# Altium PCB Robo.PcbDoc (continued)
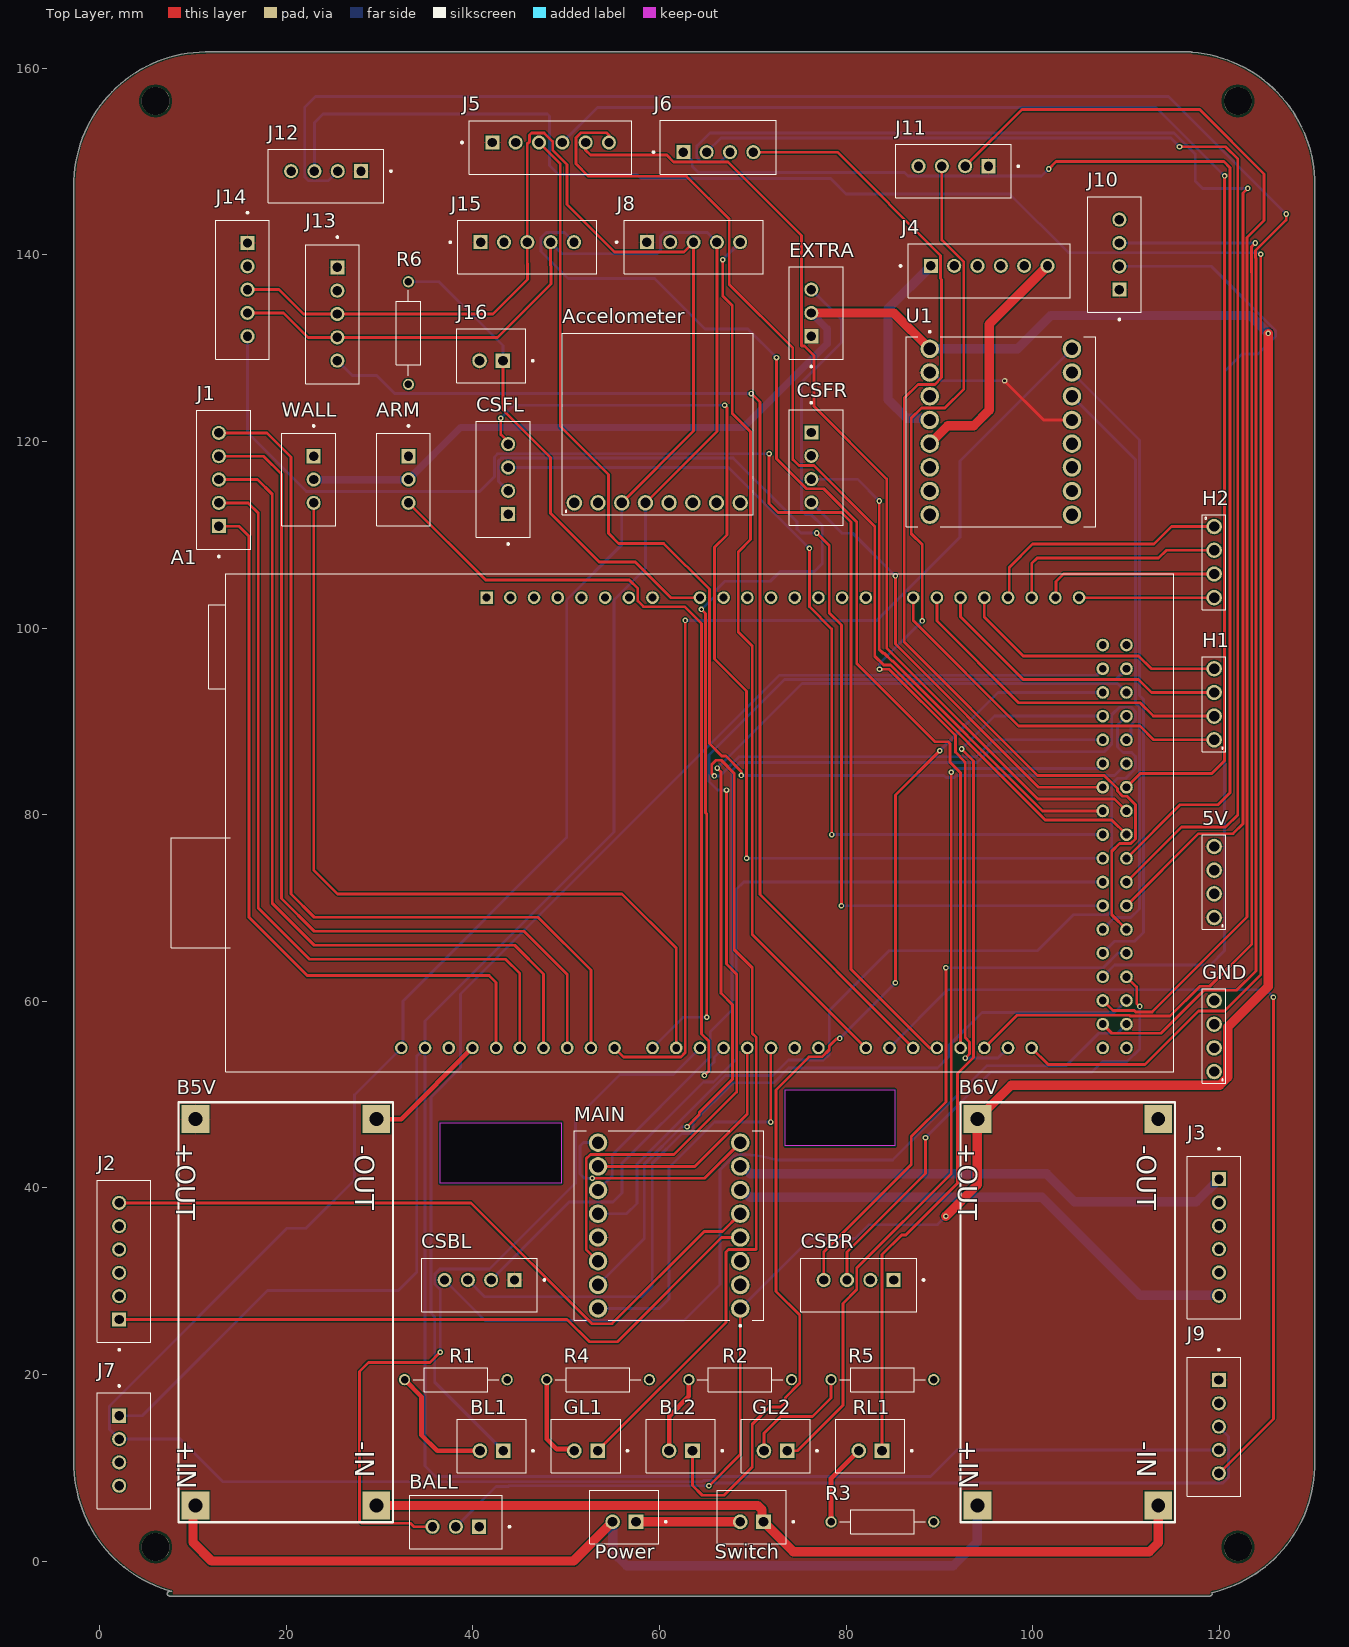
[diagram p0: Top Layer view]
## Part data
5V GND H1 H2: "Board Connector, 4 Contact(s), 1 Row(s), Male, Straight, 0.1 inch Pitch, Solder Terminal, Locking, Black Insulator, Plug", Contact Resistance=20mR, Dielectric Withstanding Voltage (AC)=500V, Insulation Color=Black, Insulation Resistance=1GR, Manufacturer="Wurth Electronics", Max Operating Temperature=125°C, Min Operating Temperature=-40°C, Rated Current (Signal)=3A, Supplier Part Number=732-5317-ND, Body Breadth=0.1inch, Body Depth=0.1inch, Body Length=0.4inch, Body/Shell Style=PLUG, Category="Headers and Wire Housings", ComponentLink1Description=https://datasheet.ciiva.com:443/pdfs/VipMasterIC/IC/MIDC/MIDCS07676/MIDCS07676-1.pdf?src-supplier=IHS+Markit, ComponentLink1URL=https://datasheet.ciiva.com:443/pdfs/VipMasterIC/IC/MIDC/MIDCS07676/MIDCS07676-1.pdf?src-supplier=IHS+Markit, ComponentLink2Description=http://www.farnell.com/cad/1737268.pdf?src-supplier=Element14, ComponentLink2URL=http://www.farnell.com/cad/1737268.pdf?src-supplier=Element14, ComponentLink3Description=https://katalog.we-online.de/em/datasheet/6130xx11121.pdf?src-supplier=Digi-Key, ComponentLink3URL=https://katalog.we-online.de/em/datasheet/6130xx11121.pdf?src-supplier=Digi-Key, Connector Type="BOARD CONNECTOR", Contact Finish - Mating=GOLD, Contact Finish - Termination="Gold (Au) - with Nickel (Ni) barrier", Contact Gender=Male, Contact Material="Copper Alloy", Contact Pattern=RECTANGULAR, Contact Style="SQ PIN-SKT", Insulation Material=Polybutylene, JESD-609 Code=e4, Manufacturer Part Number=61300411121, Mating Contact Pitch=0.1inch, Mounting Option 1=LOCKING, Mounting Style=STRAIGHT, Mounting Technology=Board, Number Of Connectors=1, Number of Contacts=4, Number of Rows Loaded=1, PCB Contact Pattern=RECTANGULAR, Pricing="1=0.19, 10=0.163, 25=0.1352, 50=0.113, 100=0.102, 1000=0.094 (USD)", Reach SVHC Compliant=Yes, Reference Standard=UL, Reliability=COMMERCIAL, RoHS=Yes, RoHS Compliant=Yes, Stock=103058, Supplier=Digi-Key, Terminal Length=0.118inch, Terminal Pitch=2.54mm, Termination=Solder
A1: "Arduino Mega 2560 Rev3. ATmega2560 Microcontroller Mega Development Board 16MHz CPU 8KB RAM 4KB/256KB EEPROM/Flash", Package="Non-Standard Arduino", Availability="In Stock", Check_prices=https://www.snapeda.com/parts/A000067/Arduino/view-part/?ref=eda, MF=Arduino, MP=A000067, Price=None, Purchase-URL=https://pricing.snapeda.com/search?q=A000067&ref=eda, SnapEDA_Link=https://www.snapeda.com/parts/A000067/Arduino/view-part/?ref=snap
Accelometer: library part 8pin_headers
ARM BALL EXTRA WALL: library part B3B-XH-A_(LF)(SN), "Connector Header Through Hole 3 position 0.098 (2.50mm)", Package=None, Check_prices=https://www.snapeda.com/parts/B3B-XH-A%20(LF)(SN)/JST+Sales+America+Inc./view-part/?ref=eda, MF="JST Sales America Inc.", MP="B3B-XH-A (LF)(SN)", SnapEDA_Link=https://www.snapeda.com/parts/B3B-XH-A%20(LF)(SN)/JST+Sales+America+Inc./view-part/?ref=snap
B5V B6V: library part Buck_Converter
BL1 BL2 GL1 GL2 J16 Power RL1 Switch: "Connector Header Through Hole 2 position 0.098 (2.50mm)", Package=None, Check_prices=https://www.snapeda.com/parts/B2B-XH-A(LF)(SN)/JST+Sales+America+Inc./view-part/?ref=eda, MF="JST Sales America Inc.", MP=B2B-XH-A(LF)(SN), SnapEDA_Link=https://www.snapeda.com/parts/B2B-XH-A(LF)(SN)/JST+Sales+America+Inc./view-part/?ref=snap
CSBL CSBR CSFL CSFR J7 J10 J11 J12: library part B4B-XH-A(LF)(SN), "Connector Header Through Hole 4 position 0.098 (2.50mm)", Package=None, Availability="In Stock", Check_prices=https://www.snapeda.com/parts/B4B-XH-A(LF)(SN)/JST+Sales+America+Inc./view-part/?ref=eda, MF="JST Sales", MP=B4B-XH-A(LF)(SN), Price=None, Purchase-URL=https://pricing.snapeda.com/search/part/B4B-XH-A(LF)(SN)/?ref=eda, SnapEDA_Link=https://www.snapeda.com/parts/B4B-XH-A(LF)(SN)/JST+Sales+America+Inc./view-part/?ref=snap
J1 J8 J9 J13 J14 J15: library part B5B-XH-A(LF)(SN), "Connector Header Through Hole 5 position 0.098 (2.50mm)", Package=None, Check_prices=https://www.snapeda.com/parts/B5B-XH-A(LF)(SN)/JST+Sales+America+Inc./view-part/?ref=eda, MF="JST Sales America Inc.", MP=B5B-XH-A(LF)(SN), SnapEDA_Link=https://www.snapeda.com/parts/B5B-XH-A(LF)(SN)/JST+Sales+America+Inc./view-part/?ref=snap
J2 J3 J4 J5: "Connector Header Through Hole 6 position 0.098 (2.50mm)", Package=None, Check_prices=https://www.snapeda.com/parts/B6B-XH-A(LF)(SN)/JST+Sales+America+Inc./view-part/?ref=eda, MF="JST Sales", MP=B6B-XH-A(LF)(SN), SnapEDA_Link=https://www.snapeda.com/parts/B6B-XH-A(LF)(SN)/JST+Sales+America+Inc./view-part/?ref=snap
J6: "Connector Header Through Hole 4 position 0.098 (2.50mm)", Package=None, Availability="In Stock", Check_prices=https://www.snapeda.com/parts/B4B-XH-A(LF)(SN)/JST+Sales+America+Inc./view-part/?ref=eda, MF="JST Sales", MP=B4B-XH-A(LF)(SN), Price=None, Purchase-URL=https://pricing.snapeda.com/search/part/B4B-XH-A(LF)(SN)/?ref=eda, SnapEDA_Link=https://www.snapeda.com/parts/B4B-XH-A(LF)(SN)/JST+Sales+America+Inc./view-part/?ref=snap
MAIN U1: library part ROB-14450, "TB6612FNG Motor Controller/Driver Power Management Evaluation Board", Package=None, Availability="In Stock", Check_prices=https://www.snapeda.com/parts/ROB-14450/SparkFun%20Electronics/view-part/2656367/?ref=eda, MF="SparkFun Electronics", MP=ROB-14450, Price=None, SnapEDA_Link=https://www.snapeda.com/parts/ROB-14450/SparkFun%20Electronics/view-part/2656367/?ref=snap
R1 R2 R3 R4 R5 R6: "Fixed Resistor, Carbon Film, 0.5W, 1000ohm, 350V, 5% +/-Tol, -400,0ppm/Cel, Through Hole Mount", Manufacturer="Stackpole Electronics", Max Operating Temperature=155°C, Min Operating Temperature=-55°C, Package Diameter=2.3mm, Package Length=6mm, Package Shape=Tubular, Package Style=AxialMeter, Power=500mW, Rated Temperature=70°C, Resistance=1K, Resistor Type="FIXED RESISTOR", Supplier Part Number=S1KHCT-ND, Temperature Coefficient=400ppm/°C, Tolerance=5%, Working Voltage=350V, Category="Through-Hole Resistors", ComponentLink1Description=https://datasheet.ciiva.com:443/pdfs/VipMasterIC/IC/SEIE/SEIE-S-A0009883960/SEIE-S-A0009883960-1.pdf?src-supplier=IHS+Markit, ComponentLink1URL=https://datasheet.ciiva.com:443/pdfs/VipMasterIC/IC/SEIE/SEIE-S-A0009883960/SEIE-S-A0009883960-1.pdf?src-supplier=IHS+Markit, ComponentLink2Description=http://components.arrow.com/part/dataview/51859118S46073N1174?src-supplier=Arrow+Electronics, ComponentLink2URL=http://components.arrow.com/part/dataview/51859118S46073N1174?src-supplier=Arrow+Electronics, ComponentLink3Description=https://www.seielect.com/Catalog/SEI-CF_CFM.pdf?src-supplier=Digi-Key, ComponentLink3URL=https://www.seielect.com/Catalog/SEI-CF_CFM.pdf?src-supplier=Digi-Key, ComponentLink4Description=https://www.seielect.com/catalog/SEI-Packaging.pdf?src-supplier=Digi-Key, ComponentLink4URL=https://www.seielect.com/catalog/SEI-Packaging.pdf?src-supplier=Digi-Key, ComponentLink5Description=https://www.seielect.com/catalog/SEI-CF_CFM.pdf?src-supplier=Avnet, ComponentLink5URL=https://www.seielect.com/catalog/SEI-CF_CFM.pdf?src-supplier=Avnet, ComponentLink6Description=https://www.verical.com/server-webapp/html/getDatasheet?partID=470997&src-supplier=Verical, ComponentLink6URL=https://www.verical.com/server-webapp/html/getDatasheet?partID=470997&src-supplier=Verical, Construction=Tubular, JESD-609 Code=e3, Lead Diameter=0.55mm, Lead Length=28mm, Manufacturer Part Number=CFM12JT1K00, Mounting Technology="Through Hole", Packaging="Tape and Reel", Pins=2, Pricing="1=0.1, 10=0.067, 25=0.0488, 50=0.0372, 100=0.0274, 250=0.02092, 500=0.01672, 1000=0.01231 (USD)", Reach SVHC Compliant=Yes, RoHS=Yes, RoHS Compliant=Yes, Stock=145304, Supplier=Digi-Key, Technology="CARBON FILM", Terminal Finish=Tin, Termination=Wire

## Free pads (board coordinates)
  round 3 hole 3 unplated: 3(6,1.5) 4(122,1.5) 5(122,156.5) 6(6,156.5)

## Via types
v1: diameter 0.6, hole 0.3, Top Layer to Bottom Layer, 44 vias
v2: diameter 0.6, hole 0.3, Top Layer to Bottom Layer, tented both sides, 4 vias

## Nets (pads, with @x,y where several pads share a name; then routed paths per layer and width w, separated by ;. In a path a pad name is that pad's centre, name@x,y a point inside that pad or via, vN(x,y) a via of type N, cw(c..) or ccw(c..) an arc to the next point about the centre after c; other vN are vias at no path point)
+5: 5V.1 5V.2 5V.3 5V.4 A1.VIN Accelometer.1 B5V.4 CSBL.1 CSFL.1 J5.1 J7.3 J8.1 J9.1 J10.1 J11.1 J12.1 J13.1 J14.1 J15.1 J16.2 MAIN.2 MAIN.13 U1.2 U1.13 | length 17.3
  Top Layer w0.3: v2(97,126.5) 101.19,122.31 U1.13
  Bottom Layer w0.3: U1.2 89.351,127.39 90.241,126.5 v2(97,126.5)
+6: ARM.2 B6V.4 BALL.2 EXTRA.2 MAIN.1 U1.1 WALL.2 | length 315.4
  Top Layer w0.3: v1(65.307,8.061) 68.66,11.414 MAIN.1
  Top Layer w1: EXTRA.2 85.13,133.78 U1.1 ; v1(90.707,36.966) 94.069,40.328 B6V.4 97.711,51 114.673,51 114.681,51.008 120.061,51.008 120.912,51.859 120.912,55.601 120.912,57.239 125.251,61.579 v1(125.251,131.581)
  Bottom Layer w0.3: BALL.2 42.496,7.991 43.79,7.991 43.861,8.061 v1(65.307,8.061) ; MAIN.1 76.178,34.578 80.979,34.578 82.452,36.052 89.793,36.052 v1(90.707,36.966)
  Bottom Layer w0.8: WALL.2 ARM.2 38.68,121.5 69,121.5 78,130.5 78,132.06 EXTRA.2
  Bottom Layer w1: U1.1 98.378,129.93 101.948,133.5 123.332,133.5 v1(125.251,131.581)
AM: A1.8 U1.16 | length 112.8
  Top Layer w0.3: A1.8 56.163,54.035 62.31,54.035 62.767,54.492 v1(62.767,100.822)
  Bottom Layer w0.3: v1(62.767,100.822) 83.29,100.822 92.206,109.737 92.206,117.916 U1.16
ARM1: A1.31 U1.14 | length 62.8
  Bottom Layer w0.3: U1.14 111.027,118.043 111.027,91.943 111.445,91.525 111.445,69.896 110.519,68.97 108.792,68.97 A1.31
ARM2: A1.29 U1.15 | length 68.5
  Bottom Layer w0.3: U1.15 111.459,120.151 111.459,92.783 111.872,92.37 111.872,67.376 110.926,66.43 108.792,66.43 A1.29
GND: A1.GND2 A1.GND3 Accelometer.2 ARM.1 B5V.3 B6V.3 BALL.1 CSBR.1 CSFR.1 EXTRA.1 GND.1 GND.2 GND.3 GND.4 J5.2 J7.4 J8.2 J9.2 J10.4 J11.4 J12.4 J13.2 J14.2 J15.2 MAIN.3 MAIN.8 MAIN.9 R1.1 R2.1 R3.1 R4.1 R5.1 R6.1 U1.3 U1.8 U1.9 WALL.1 | length 37.5
  Top Layer w0.3: v2(52.792,41.03) 64.85,41.03 MAIN.8
  Top Layer w0.5: B5V.3 32.316,47.358 A1.GND3
  Bottom Layer w0.3: v2(52.792,41.03) 51.97,41.03 51.5,41.5 51.5,44.5 51.876,44.876 53.384,44.876 MAIN.9
IR1: A1.44 J5.3 | length 121.9
  Top Layer w0.3: J5.3 49.381,149.754 49.381,121.624 54.538,116.468 54.538,110.169 55.63,109.077 60.456,109.077 65.354,104.178 65.354,101.75 65.354,87.618 66.678,86.294 67.118,86.294 68.762,84.65 v1(68.762,84.21)
  Bottom Layer w0.3: v1(68.762,84.21) 90.477,84.21 90.714,83.973 91.631,83.973 91.868,84.21 108.792,84.21 A1.44
IR2: A1.42 J5.4 | length 150
  Top Layer w0.3: A1.42 111.535,84.413 119.206,84.413 120.578,85.785 v1(120.578,148.472)
  Bottom Layer w0.3: J5.4 53.358,155.813 113.237,155.813 v1(120.578,148.472)
IR3: A1.40 J5.5 | length 108.9
  Top Layer w0.3: J5.5 52.09,151.215 52.598,150.707 60.786,150.707 61.523,149.971 67.339,149.971 75.239,142.071 75.239,130.235 75.543,130.235 76.559,129.219 76.559,123.783 84.357,115.985 84.357,97.866 100.554,81.67 108.792,81.67 A1.40
IR4: A1.38 J5.6 | length 115.5
  Top Layer w0.3: J5.6 54.59,152.841 54.336,153.095 51.591,153.095 51.058,152.561 51.058,149.767 52.404,148.421 62.92,148.421 67.491,143.85 67.491,136.814 74.299,130.006 74.299,118.068 74.949,117.418 76.575,117.418 83.087,110.905 83.087,96.983 84.041,96.029 84.765,96.029 101.36,79.435 108.487,79.435 A1.38
IR5: A1.36 J6.1 | length 141.9
  Top Layer w0.3: v1(101.731,149.209) 102.522,150 120.5,150 121.162,149.338 121.162,82.356 119.866,81.06 115.802,81.06 A1.36
  Bottom Layer w0.3: J6.1 63.52,150.056 63.52,149.468 64.16,148.828 86.262,148.828 86.643,148.447 100.969,148.447 v1(101.731,149.209)
IR6: A1.34 J6.2 | length 143.7
  Top Layer w0.3: A1.34 115.955,78.673 120.679,78.673 122,79.994 122,150.275 120.679,151.596 v1(115.752,151.596)
  Bottom Layer w0.3: J6.2 66.588,152.536 114.812,152.536 v1(115.752,151.596)
IR7: A1.32 J6.3 | length 153.7
  Top Layer w0.3: A1.32 117.784,77.962 121.492,77.962 122.559,79.028 122.559,146.618 v1(123.067,147.126)
  Bottom Layer w0.3: J6.3 66.523,149.971 64.444,149.971 64.012,150.402 64.012,151.672 65.409,153.069 115.167,153.069 117.428,150.809 117.428,147.939 118.241,147.126 v1(123.067,147.126)
IR8: A1.30 J6.4 | length 116.8
  Top Layer w0.3: J6.4 79.074,151.012 90.142,139.944 90.142,137.467 90.247,137.362 90.247,126.844 89.523,126.12 87.71,126.12 86.237,124.647 86.237,98.51 100.537,84.21 107.674,84.21 109.097,82.788 109.097,82.534 109.656,81.975 110.113,81.975 111.027,81.06 111.027,77.403 110.519,76.895 109.3,76.895 108.487,76.082 108.487,69.275 A1.30
L1: A1.53 BL1.1 | length 136.8
  Bottom Layer w0.3: BL1.1 35.919,19.161 35.919,26.164 35.512,26.572 35.512,49.716 38.688,52.892 38.688,60.766 72.876,94.954 106.836,94.954 A1.53
L2: A1.51 BL2.1 | length 120.8
  Top Layer w0.3: BL2.1 63.54,8.101 64.596,7.045 66.933,7.045 69.955,10.067 69.955,14.665 71.791,16.5 73,16.5 73.5,17 73.5,17.54 75.037,19.077 75.037,26.367 72.5,28.904 72.5,50.5 76.044,54.044 77.438,54.044 78.198,54.804 78.198,55.198 78.959,55.959 79.271,55.959 v1(79.328,56.016) ; v1(85.297,61.985) 85.297,82.102 v1(90.047,86.852)
  Bottom Layer w0.3: v1(79.328,56.016) v1(85.297,61.985) ; v1(90.047,86.852) 96.295,93.1 A1.51
L3: A1.49 RL1.1 | length 96.6
  Top Layer w0.3: RL1.1 83.86,32.837 85.976,34.952 86.406,34.952 91.952,40.498 91.952,52.243 93.665,53.956 93.665,85.764 v1(92.392,87.037)
  Bottom Layer w0.3: v1(92.392,87.037) 95.914,90.56 A1.49
L4: A1.47 GL1.1 | length 130.1
  Top Layer w0.3: GL1.1 67.136,25.576 67.136,33.128 67.415,33.407 70.362,33.407 70.387,33.432 70.387,56.118 69.955,56.549 69.955,63.585 68.025,65.516 68.025,84.429 66.623,85.831 66.064,85.831 65.612,85.378 65.612,84.439 v1(65.891,84.159)
  Bottom Layer w0.3: v1(65.891,84.159) 66.501,84.159 68.558,86.217 93.984,86.217 95.787,88.02 A1.47
L5: A1.45 GL2.1 | length 97.3
  Top Layer w0.3: GL2.1 74.807,11.82 79.684,16.697 79.684,27.619 81.157,29.092 81.157,31.403 91.291,41.538 v1(91.291,84.55)
  Bottom Layer w0.3: v1(91.291,84.55) 91.698,84.956 106.998,84.956 A1.45
L_PWM: A1.2 MAIN.16 | length 43
  Top Layer w0.3: v1(71.923,47.05) 71.943,47.069 71.943,54.98 A1.2
  Bottom Layer w0.3: MAIN.16 60.024,27.06 61.04,28.076 61.04,42.173 65.917,47.05 v1(71.923,47.05)
LM1: A1.52 MAIN.14 | length 117.1
  Top Layer w0.3: MAIN.14 52.15,33.41 52.15,43.113 52.607,43.57 61.57,43.57 68.279,50.279 68.279,62.899 67.187,63.992 v1(67.187,82.635)
  Bottom Layer w0.3: v1(67.187,82.635) 66.222,82.635 65.307,83.55 65.307,86.394 73.41,94.497 108.919,94.497 A1.52
LM2: A1.50 MAIN.15 | length 110.4
  Top Layer w0.3: v1(62.97,46.542) 64.277,47.848 64.277,48.074 67.847,51.644 67.847,59.623 66.603,60.867 66.603,84.591 v1(66.206,84.988)
  Bottom Layer w0.3: MAIN.15 58.373,34.553 58.373,42.529 62.386,46.542 v1(62.97,46.542) ; v1(66.206,84.988) 75.275,94.056 109.106,94.056 A1.50
METAL_DETECTOR: A1.AD0 J16.1 R6.2 | length 52.8
  Top Layer w0.3: J16.1 43.22,123.391 48.315,118.297 48.315,112.302 53.547,107.07 57.408,107.07 61.218,103.26 A1.AD0
  Bottom Layer w0.3: R6.2 36.38,137.12 43.22,130.28 J16.1
NetA1_9: A1.9 J1.5 | length 99.5
  Top Layer w0.3: J1.5 17.92,120.92 20.5,118.34 20.5,71.5 23,69 47,69 52.658,63.342 A1.9
NetA1_10: A1.10 J1.4 | length 94.9
  Top Layer w0.3: J1.4 17.58,118.42 19.5,116.5 19.5,71 23,67.5 45.5,67.5 50.118,62.882 A1.10
NetA1_11: A1.11 J1.3 | length 90.4
  Top Layer w0.3: J1.3 16.92,115.92 18.5,114.34 18.5,70.5 23,66 44.5,66 47.578,62.922 A1.11
NetA1_12: A1.12 J1.2 | length 85.9
  Top Layer w0.3: J1.2 15.92,113.42 17,112.34 17,70 22.5,64.5 43.5,64.5 45.038,62.962 A1.12
NetA1_13: A1.13 J1.1 | length 80.9
  Top Layer w0.3: J1.1 14.92,110.92 16,109.84 16,69 22.25,62.75 41.75,62.75 42.5,62 42.5,55.002 A1.13
NetA1_14: A1.14 J8.5 | length 94.6
  Top Layer w0.3: v1(66.78,139.48) 66.78,135.62 67.796,134.604 67.796,123.021 69.778,121.04 69.778,109.483 68.457,108.162 68.457,99.577 69.955,98.078 69.955,67.167 A1.14
  Bottom Layer w0.3: v1(66.78,139.48) J8.5
NetA1_15: A1.15 J9.5 | length 97.5
  Top Layer w0.3: J9.5 125.81,15.242 v1(125.81,60.436)
  Bottom Layer w0.3: A1.15 90.899,61.237 125.009,61.237 v1(125.81,60.436)
NetA1_16: A1.16 J13.5 | length 123.2
  Top Layer w0.3: v1(69.854,125.129) 70.768,124.215 70.768,71.434 A1.16
  Bottom Layer w0.3: J13.5 27.08,127.06 29.696,127.06 31.627,125.129 v1(69.854,125.129)
NetA1_17: A1.17 J14.5 | length 147.3
  Top Layer w0.3: v1(71.759,118.678) 71.759,113.369 72.724,112.404 79.506,112.404 80.547,111.363 80.547,63.433 88.98,55 A1.17
  Bottom Layer w0.3: J14.5 15.845,120.947 22.153,114.639 40.745,114.639 42.32,116.214 42.32,118.348 42.65,118.678 v1(71.759,118.678)
NetA1_18: A1.18 J15.5 | length 119.7
  Top Layer w0.3: v1(72.546,128.99) 72.546,118.155 75.772,114.929 77.616,114.929 81.157,111.388 81.157,96.185 89.519,87.823 90.929,87.823 91.151,87.602 91.151,85.623 92.282,84.492 A1.18
  Bottom Layer w0.3: J15.5 49.809,142.391 47.832,142.391 47.309,141.868 47.309,140.359 50.194,137.474 59.491,137.474 64.901,132.064 69.473,132.064 v1(72.546,128.99)
NetA1_19: A1.19 J10.3 | length 123.3
  Top Layer w0.3: A1.19 98.327,58.505 110.386,58.505 110.47,58.422 114.743,58.422 117.931,61.609 118.982,61.609 123.5,66.127 123.5,138.061 123.46,138.101 123.46,140.874 v1(123.866,141.28)
  Bottom Layer w0.3: J10.3 v1(123.866,141.28)
NetA1_20: A1.20 J11.3 | length 112.5
  Top Layer w0.3: v1(83.595,95.589) 84.601,95.589 91.723,88.467 91.723,86.699 92.714,85.709 92.714,85.658 92.79,85.582 92.79,56.092 93.238,55.644 93.238,54.356 v1(92.79,53.908) ; v1(88.167,100.771) 88.167,108.95 87,110.117 87,122.5 88.08,123.58 90.58,123.58 92.631,125.631 92.631,139.247 90.27,141.608 J11.3
  Bottom Layer w0.3: v1(83.595,95.589) 83.595,96.199 v1(88.167,100.771) ; v1(92.79,53.908) 96.27,53.908 A1.20
NetA1_21: A1.21 J12.3 | length 222.8
  Top Layer w0.3: A1.21 101.68,53.222 112.043,53.222 117.784,58.962 120.552,58.962 124.464,62.874 v1(124.464,140.065)
  Bottom Layer w0.3: J12.3 23.02,154.169 23.956,155.105 47.981,155.105 48.213,154.873 48.213,149.59 49.178,148.624 57.586,148.624 58.017,148.193 78.363,148.193 80.014,146.542 97.54,146.542 103.843,140.238 124.29,140.238 v1(124.464,140.065)
NetA1_23: A1.23 J12.2 | length 224.6
  Top Layer w0.3: A1.23 108.487,56.575 113.761,56.575 118.368,61.182 121.873,61.182 123.93,63.239 123.93,139.658 123.887,139.702 123.887,140.453 127.182,143.748 v1(127.182,144.383)
  Bottom Layer w0.3: J12.2 24.479,147.939 22.407,147.939 21.975,148.37 21.975,155.813 23.143,156.981 114.583,156.981 v1(127.182,144.383)
NetA1_25: A1.25 J11.2 | length 138
  Top Layer w0.3: J11.2 98.849,155.584 117.916,155.584 124.819,148.681 124.819,143.697 122.991,141.868 122.991,69.021 112.818,58.849 111.047,58.849 110.897,58.999 108.603,58.999 A1.25
NetA1_27: A1.27 J10.2 | length 103.5
  Bottom Layer w0.3: A1.27 108.792,63.89 119.054,63.89 120.578,65.414 120.578,127.502 122.456,129.381 124.15,129.381 126.028,131.259 126.028,131.903 119.151,138.78 J10.2
NetA1_AD8: A1.AD8 H1.1 | length 40
  Top Layer w0.3: A1.AD8 87.202,100.798 98.5,89.5 111.5,89.5 112.98,88.02 H1.1
NetA1_AD9: A1.AD9 H1.2 | length 36.4
  Top Layer w0.3: A1.AD9 89.742,100.758 98.5,92 111.5,92 112.94,90.56 H1.2
NetA1_AD10: A1.AD10 H1.3 | length 32.6
  Top Layer w0.3: A1.AD10 92.282,101.218 99,94.5 111.347,94.5 112.747,93.1 H1.3
NetA1_AD11: A1.AD11 H1.4 | length 29
  Top Layer w0.3: A1.AD11 94.822,101.178 99,97 111.367,97 112.727,95.64 H1.4
NetA1_AD12: A1.AD12 H2.1 | length 27.1
  Top Layer w0.3: A1.AD12 97.5,103.398 97.5,106.5 100,109 113,109 114.88,110.88 H2.1
NetA1_AD13: A1.AD13 H2.2 | length 23.8
  Top Layer w0.3: A1.AD13 99.902,106.902 100.5,107.5 113.5,107.5 114.34,108.34 H2.2
NetA1_AD14: A1.AD14 H2.3 | length 19.1
  Top Layer w0.3: A1.AD14 102.5,103.318 102.5,105 103.3,105.8 H2.3
NetA1_AD15: A1.AD15 H2.4 | length 14.5
  Top Layer w0.3: A1.AD15 H2.4
NetB5V_1: B5V.1 B6V.1 Switch.1 | length 90.9
  Top Layer w1: B5V.1 70.542,5.958 71,5.5 71,4.36 Switch.1 74.36,1 112.5,1 113.469,1.969 B6V.1
NetB5V_2: B5V.2 B6V.2 Power.2 | length 99.5
  Top Layer w1: B5V.2 10,5.709 10,2 12,0 50.784,0 Power.2
  Bottom Layer w1: Power.2 54.984,1.016 56.5,-0.5 91.5,-0.5 94.069,2.069 B6V.2
NetBL1_2: BL1.2 R1.2 | length 13.6
  Top Layer w0.5: R1.2 34.5,17.62 34.5,13.5 36.18,11.82 BL1.2
NetBL2_2: BL2.2 R2.2 | length 8.5
  Top Layer w0.5: BL2.2 61.04,15.54 63.16,17.66 R2.2
NetGL1_2: GL1.2 R4.2 | length 9.8
  Top Layer w0.5: R4.2 47.92,13.08 49,12 50.7,12 GL1.2
NetGL2_2: GL2.2 R5.2 | length 12.6
  Top Layer w0.3: GL2.2 71.2,13.7 73,15.5 76.423,15.5 78.4,17.477 R5.2
NetJ2_1: J2.1 MAIN.4 | length 72.2
  Top Layer w0.3: J2.1 50.11,25.89 52.5,23.5 55.494,23.5 66.674,34.68 MAIN.4
NetJ2_6: J2.6 MAIN.5 | length 76.8
  Top Layer w0.3: J2.6 39.803,38.39 52.75,25.443 54.933,25.443 64.801,35.311 66.751,35.311 MAIN.5
NetJ3_1: J3.1 MAIN.7 | length 53.9
  Bottom Layer w1: MAIN.7 68.925,42.3 69.725,41.5 101.5,41.5 104.5,38.5 117.555,38.5 J3.1
NetJ3_6: J3.6 MAIN.6 | length 56
  Bottom Layer w1: MAIN.6 68.925,39.76 69.685,39 101,39 111.5,28.5 119.915,28.5 J3.6
NetJ4_1: J4.1 U1.4 | length 21.6
  Bottom Layer w1: U1.4 88.792,122.498 86.502,122.498 84.5,124.5 84.5,134.22 J4.1
NetJ4_6: J4.6 U1.5 | length 25.9
  Top Layer w1: U1.5 90.906,121.696 93.696,121.696 95.338,123.338 95.338,132.558 J4.6
NetPower_1: Power.1 Switch.2 | length 11.2
  Top Layer w1: Power.1 Switch.2
NetR3_2: R3.2 RL1.2 | length 8.8
  Top Layer w0.5: R3.2 78.4,8.86 RL1.2
R_PWM: A1.3 MAIN.10 | length 25.4
  Top Layer w0.3: MAIN.10 63.783,42.3 69.422,47.939 A1.3
RM1: A1.48 MAIN.12 | length 97.9
  Bottom Layer w0.3: MAIN.12 56.468,37.22 57.586,38.338 57.586,42.529 67.085,52.028 72.165,52.028 73.842,53.705 77.601,53.705 78.21,54.314 78.21,59.013 84.611,65.414 100.537,65.414 104.398,69.275 108.081,69.275 108.487,69.681 108.487,83.296 109.097,83.905 109.986,83.905 111.018,84.937 111.018,86.251 110.621,86.648 109.706,86.648 109.097,87.258 109.097,89.595 A1.48
RM2: A1.46 MAIN.11 | length 102.5
  Bottom Layer w0.3: MAIN.11 54.944,41.284 54.944,43.538 65.441,54.035 65.441,56.709 67.778,59.046 67.778,84.753 68.607,85.582 94.06,85.582 95.228,86.75 107.674,86.75 108.487,87.563 108.487,90.703 109.3,91.516 110.57,91.516 111.018,91.068 111.018,90.094 110.545,89.62 110.545,88.503 A1.46
SB0: A1.28 CSBR.4 | length 58.9
  Top Layer w0.3: CSBR.4 77.61,33.11 87,42.5 87,45.5 90.707,49.207 v1(90.707,63.585)
  Bottom Layer w0.3: v1(90.707,63.585) 107.573,63.585 109.148,65.16 A1.28
SB1: A1.26 CSBR.3 | length 54
  Top Layer w0.3: CSBR.3 80.11,33.11 88.523,41.523 v1(88.523,45.373) ; A1.26 111.154,61.528 111.154,59.775 v1(111.484,59.445)
  Bottom Layer w0.3: v1(88.523,45.373) 95.559,52.409 106.379,52.409 107.497,53.527 110.113,53.527 111.484,54.898 v1(111.484,59.445)
SB2: A1.24 CSBL.3 | length 93.4
  Bottom Layer w0.3: CSBL.3 41.265,28.33 58.094,28.33 59.237,29.473 59.237,42.63 62.441,45.834 63.377,45.834 63.591,46.048 63.591,46.984 67.873,51.266 72.266,51.266 73.841,52.841 89.793,52.841 91.012,54.06 91.012,55.229 94.593,58.81 108.792,58.81 A1.24
SB3: A1.22 CSBL.4 | length 95.5
  Bottom Layer w0.3: CSBL.4 41.305,25.79 62.64,25.79 66.5,29.65 66.5,41.932 67.97,43.401 cw(c68.568,41.636) 68.093,43.439 cw(c68.658,42.304) 68.658,43.571 cw(c68.658,30.347) 72.503,43 85,43 95.095,53.095 103.61,53.095 107.09,56.575 109.097,56.575 A1.22
SCL: A1.SCL Accelometer.3 J7.2 J8.3 J9.3 J13.3 J14.3 J15.3 | length 357.6
  Top Layer w0.3: J14.3 19.22,136.28 21.84,133.66 J13.3 42.16,133.66 45.876,137.376 45.876,139.071 45.84,139.107 J15.3 45.84,151.916 46.059,152.135 46.059,152.841 46.294,153.076 47.648,153.076 48.559,152.165 48.559,151.225 50.093,149.691 50.093,145.399 55.173,140.319 62.619,140.319 J8.3 63.66,121.12 Accelometer.3
  Bottom Layer w0.3: Accelometer.3 55.961,108.93 50.058,103.028 50.058,77.558 32.5,60 32.5,55.162 A1.SCL 27.309,49.971 27.309,40.852 22.127,35.671 20.095,35.671 1.045,16.621 1.045,14.12 J7.2 8.634,13.07 13.212,8.493 64.578,8.493 64.723,8.638 65.619,8.638 65.891,8.366 120.4,8.366 121.009,8.975 121.009,13.359 J9.3
SDA: A1.SDA Accelometer.4 J7.1 J8.4 J9.4 J13.4 J14.4 J15.4 | length 354.6
  Top Layer w0.3: J14.4 19.72,133.78 22.34,131.16 J13.4 42.66,131.16 48.376,136.876 48.376,138.821 48.34,138.857 J15.4 ; Accelometer.4 66.16,121.079 J8.4
  Bottom Layer w0.3: J7.1 4.57,15.57 18,29 32,29 34,31 34,54.122 A1.SDA ; J15.4 49.585,140.115 59.719,140.115 60.126,140.522 60.126,141.995 60.522,142.391 65.129,142.391 J8.4 ; Accelometer.4 58.501,106.39 55.138,103.028 55.138,78.138 34.878,57.878 A1.SDA ; J9.4 91.9,11.9 89.065,9.065 36.008,9.065 34.878,10.194 A1.SDA
SF0: A1.43 CSFR.4 | length 48.2
  Top Layer w0.3: v1(85.297,105.597) 85.297,98.282 100.639,82.94 A1.43
  Bottom Layer w0.3: CSFR.4 79.571,110.169 80.725,110.169 v1(85.297,105.597)
SF1: A1.41 CSFR.3 | length 55.3
  Top Layer w0.3: v1(83.57,113.623) 83.57,97.723 83.997,97.295 84.103,97.295 84.942,96.456 85.014,96.456 101.07,80.4 A1.41
  Bottom Layer w0.3: CSFR.3 81.233,115.96 v1(83.57,113.623)
SF2: A1.39 CSFL.3 | length 96.6
  Top Layer w0.3: v1(76.077,108.543) 76.077,102.295 78.464,99.907 v1(78.464,77.86)
  Bottom Layer w0.3: CSFL.3 67.41,117.21 v1(76.077,108.543) ; v1(78.464,77.86) A1.39
SF3: A1.37 CSFL.4 | length 116.5
  Top Layer w0.3: v2(43,122.5) 43,120.743 43.785,119.957 CSFL.4 ; v1(66.984,123.885) 67.238,123.631 67.238,109.991 65.917,108.67 65.917,96.681 69.346,93.252 v1(69.346,75.32)
  Bottom Layer w0.3: v2(43,122.5) 44.385,123.885 46.5,123.885 v1(66.984,123.885) ; v1(69.346,75.32) A1.37
SM1: A1.4 ARM.3 | length 90.3
  Top Layer w0.3: ARM.3 41.38,105.14 56.773,105.14 57.687,104.225 57.687,102.904 58.297,102.295 62.705,102.295 64.5,100.5 64.5,56.509 65.298,55.711 65.298,52.527 v1(64.825,52.054)
  Bottom Layer w0.3: v1(64.825,52.054) 65.383,52.612 65.383,53.019 65.868,53.504 65.868,53.986 A1.4
SM2: A1.5 BALL.3 | length 84.7
  Top Layer w0.3: BALL.3 33.676,3.675 33.303,4.048 28.122,4.048 27.868,4.302 27.868,20.329 28.833,21.294 35.411,21.294 v1(36.504,22.386)
  Bottom Layer w0.3: v1(36.504,22.386) 36.504,29.094 35.939,29.659 35.939,30.788 36.453,31.302 41.802,31.302 51,40.5 51,47.398 55.757,52.155 61.497,52.155 A1.5
SM3: A1.6 WALL.3 | length 92.4
  Top Layer w0.3: WALL.3 22.94,74.06 25.5,71.5 56,71.5 61.802,65.698 A1.6
SM4: A1.7 EXTRA.3 | length 100.1
  Top Layer w0.3: v2(64.5,102) 64.927,101.573 64.927,80.208 65.077,80.058 v1(65.077,58.277)
  Bottom Layer w0.3: A1.7 62.539,58.277 v1(65.077,58.277) ; v2(64.5,102) 65.887,103.387 65.917,103.387 65.917,103.895 67.034,105.013 71.886,105.013 72.953,106.079 76.61,106.079 77.448,106.918 77.448,110.982 76.28,112.15 75.696,112.15 75.239,112.607 75.239,126.349 79.5,130.61 79.5,133.06 EXTRA.3
SOUT1: A1.33 CSFL.2 | length 110.8
  Top Layer w0.3: v1(76.864,110.194) 78.21,108.848 78.21,101.634 79.506,100.339 v1(79.506,70.24)
  Bottom Layer w0.3: CSFL.2 42.752,115.743 42.752,117.941 43.057,118.246 67.904,118.246 74.756,111.394 74.756,110.601 75.162,110.194 v1(76.864,110.194) ; v1(79.506,70.24) A1.33
SOUT2: A1.35 CSBL.2 | length 95.7
  Bottom Layer w0.3: CSBL.2 50.335,38.49 55.02,38.49 55.985,39.455 55.985,42.63 64.714,51.359 65.81,51.359 68.228,53.777 68.228,71.967 69.041,72.78 A1.35
pads on no net: A1.0 A1.1 A1.3V3 A1.5V_1 A1.5V_2 A1.5V_3 A1.AD1 A1.AD2 A1.AD3 A1.AD4 A1.AD5 A1.AD6 A1.AD7 A1.AREF A1.GND1 A1.GND4 A1.GND5 A1.IOREF A1.NC A1.RESET Accelometer.5 Accelometer.6 Accelometer.7 Accelometer.8 CSBR.2 CSFR.2 J2.2 J2.3 J2.4 J2.5 J3.2 J3.3 J3.4 J3.5 J4.2 J4.3 J4.4 J4.5 U1.6 U1.7 U1.10 U1.11 U1.12

## Polygon pours and split planes (outlines as drawn)
+5 on Top Layer "+5_L01_P000" (solid, pour order 0): 7.5,-3.75 cw(c7.5,-3.5) 7.5,-3.25 7.722,-3.25 cw(c11.5,10.5) -2.75,9.989 -2.75,9.993 cw(c11.499,10.5) -2.75,11.004 -2.75,148 -2.75,148.009 cw(c11.5,147.5) 12.005,161.75 117,161.75 cw(c117,161.5) 117.129,161.715 cw(c116,147.5) 130.259,147.5 cw(c116.008,147.5) 130.25,146.995 130.25,10.002 130.25,9.991 cw(c116,10.5) 119.225,-3.39 119.25,-3.5 cw(c119,-3.5) 119,-3.75 116.504,-3.75 cw(c116,10.5) 115.496,-3.75
GND on Bottom Layer "GND_L02_P001" (solid, pour order 1): 7.5,-3.75 cw(c7.5,-3.5) 7.5,-3.25 7.722,-3.25 cw(c11.5,10.5) -2.75,9.989 -2.75,9.993 cw(c11.499,10.5) -2.75,11.004 -2.75,148 -2.75,148.009 cw(c11.5,147.5) 12.005,161.75 117,161.75 cw(c117,161.5) 117.129,161.715 cw(c116,147.5) 130.259,147.5 cw(c116.008,147.5) 130.25,146.995 130.25,10.002 130.25,9.991 cw(c116,10.5) 119.225,-3.39 119.25,-3.5 cw(c119,-3.5) 119,-3.75 116.504,-3.75 cw(c116,10.5) 115.496,-3.75

## Silkscreen, mask and mechanical layers (free items; w line width, h text height)
Board:
  lines w0.254: -2.5,148 cw(c11.5,147.5) 12,161.5 ccw(c11.5,147.5) -2.5,148 ; 36.5,40.5 49.5,40.5 49.5,47 36.5,47 36.5,40.5 ; 73.5,44.5 85.25,44.5 85.25,50.5 73.5,50.5 73.5,44.5
  lines w0.5: -2.5,10 -2.5,148 cw(c11.5,147.5) 12,161.5 117,161.5 ; -2.5,11 ccw(c11.5,10.5) 11,-3.5 ; 7.5,-3.5 119,-3.5 ; 115.5,-3.5 ccw(c116,10.5) 130,10 130,148 ; 116.5,161.5 cw(c116,147.5) 130,147 ; 1.125,151.375 1.125,151.375

## Text inside footprints (layer, text, board x,y; h text height)
B5V: Top Assembly "-IN" at 27.385,12.836 h2.03 r270; Top Assembly "+IN" at 8.335,12.963 h2.03 r270; Top Assembly "-OUT" at 27.385,44.586 h2.03 r270; Top Assembly "+OUT" at 8.208,44.84 h2.03 r270; Top Overlay "-IN" at 27.385,12.836 h2.03 r270; Top Overlay "+IN" at 8.335,12.963 h2.03 r270; Top Overlay "-OUT" at 27.385,44.586 h2.03 r270; Top Overlay "+OUT" at 8.208,44.84 h2.03 r270
B6V: Top Assembly "-IN" at 111.205,12.836 h2.03 r270; Top Assembly "+IN" at 92.155,12.963 h2.03 r270; Top Assembly "-OUT" at 111.205,44.586 h2.03 r270; Top Assembly "+OUT" at 92.028,44.84 h2.03 r270; Top Overlay "-IN" at 111.205,12.836 h2.03 r270; Top Overlay "+IN" at 92.155,12.963 h2.03 r270; Top Overlay "-OUT" at 111.205,44.586 h2.03 r270; Top Overlay "+OUT" at 92.028,44.84 h2.03 r270